# Altium PCB TKN.PcbDoc (part 2 of 2)
Units mil, origin at the board's own origin, x right, y up, seen from the top; angles counter-clockwise.
Board outline 4865.03 x 3045.03 mil, 2 copper layers (Top Layer, Bottom Layer); 16 components, 15 nets, 94 pads, 0 vias.
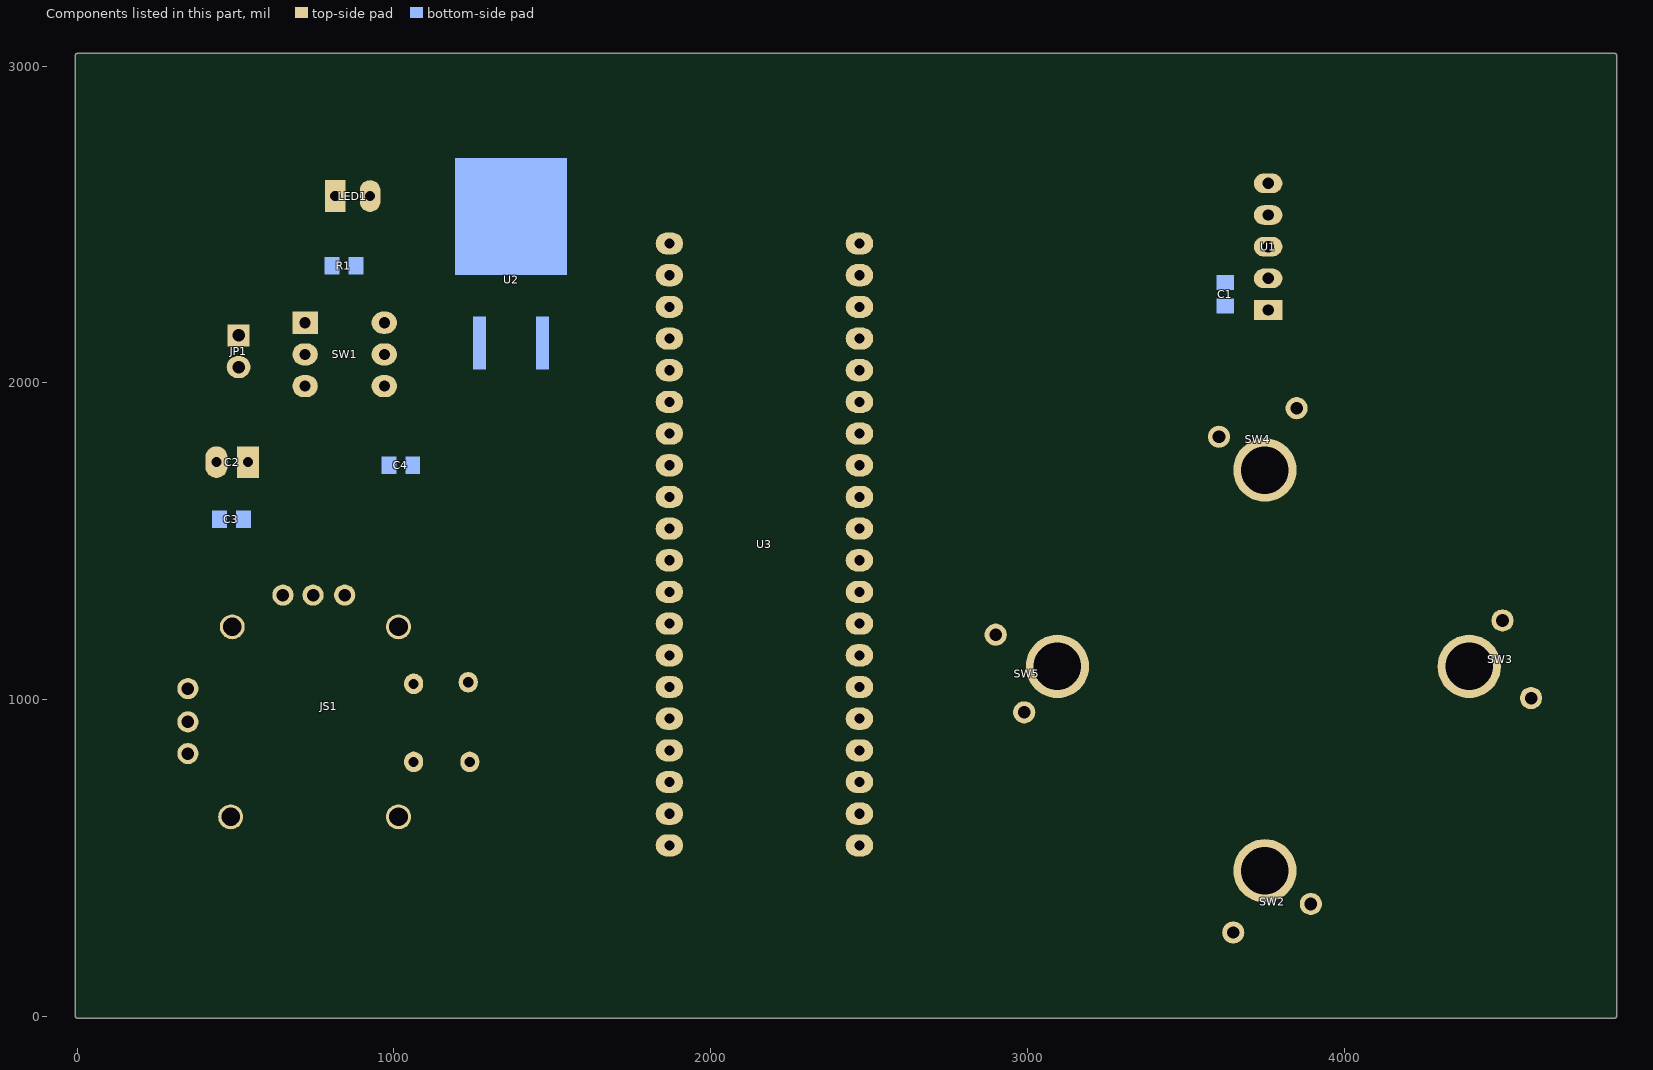
[diagram p2: the components of this part, seen from the top]

## Nets (pads, with @x,y where several pads share a name; then routed paths per layer and width w, separated by ;. In a path a pad name is that pad's centre, name@x,y a point inside that pad or via, vN(x,y) a via of type N, cw(c..) or ccw(c..) an arc to the next point about the centre after c; other vN are vias at no path point) (continued)
copper on no net: | length 113285
  Bottom Layer w1: 4254,2014 4254,2551 ; 4255,2014 4255,2557 ; 4256,2014 4256,2560 ; 4257,2014 4257,2563 ; 4258,2014 4258,2566 ; 4259,2014 4259,2568 ; 4260,2014 4260,2570 ; 4261,2014 4261,2572 ; 4262,2014 4262,2574 ; 4263,2014 4263,2576 ; 4264,2014 4264,2577 ; 4265,2014 4265,2579 ; 4266,2014 4266,2580 ; 4267,2014 4267,2581 ; 4268,2014 4268,2582 ; 4269,2014 4269,2584 ; 4270,2014 4270,2585 ; 4271,2014 4271,2586 ; 4272,2014 4272,2587 ; 4273,2014 4273,2588 ; 4274,2014 4274,2589 ; 4275,2014 4275,2589 ; 4276,2014 4276,2590 ; 4277,2014 4277,2591 ; 4278,2014 4278,2592 ; 4279,2014 4279,2593 ; 4280,2014 4280,2593 ; 4281,2014 4281,2594 ; 4282,2014 4282,2595 ; 4283,2014 4283,2596 ; 4284,2014 4284,2596 ; 4285,2014 4285,2597 ; 4286,2014 4286,2597 ; 4287,2014 4287,2598 ; 4288,2014 4288,2599 ; 4289,2014 4289,2599 ; 4290,2014 4290,2599 ; 4291,2014 4291,2600 ; 4292,2014 4292,2600 ; 4293,2014 4293,2601 ; 4294,2014 4294,2601 ; 4295,2014 4295,2602 ; 4296,2014 4296,2602 ; 4297,2014 4297,2602 ; 4298,2014 4298,2603 ; 4299,2014 4299,2603 ; 4300,2014 4300,2603 ; 4301,2014 4301,2603 ; 4302,2014 4302,2604 ; 4303,2014 4303,2390 ; 4303,2421 4303,2459 ; 4303,2480 4303,2604 ; 4304,2014 4304,2345 ; 4304,2376 4304,2391 ; 4304,2422 4304,2459 ; 4304,2486 4304,2604 ; 4305,2014 4305,2346 ; 4305,2376 4305,2391 ; 4305,2422 4305,2459 ; 4305,2489 4305,2604 ; 4306,2014 4306,2346 ; 4306,2377 4306,2391 ; 4306,2422 4306,2459 ; 4306,2492 4306,2604 ; 4307,2014 4307,2346 ; 4307,2377 4307,2391 ; 4307,2422 4307,2459 ; 4307,2494 4307,2604 ; 4308,2014 4308,2346 ; 4308,2377 4308,2392 ; 4308,2423 4308,2459 ; 4308,2496 4308,2604 ; 4309,2014 4309,2347 ; 4309,2377 4309,2392 ; 4309,2423 4309,2459 ; 4309,2498 4309,2604 ; 4310,2014 4310,2347 ; 4310,2378 4310,2392 ; 4310,2423 4310,2458 ; 4310,2499 4310,2604 ; 4311,2014 4311,2347 ; 4311,2378 4311,2392 ; 4311,2423 4311,2458 ; 4311,2501 4311,2604 ; 4312,2014 4312,2347 ; 4312,2378 4312,2393 ; 4312,2424 4312,2458 ; 4312,2502 4312,2604 ; 4313,2014 4313,2348 ; 4313,2378 4313,2393 ; 4313,2424 4313,2458 ; 4313,2503 4313,2604 ; 4314,2014 4314,2348 ; 4314,2379 4314,2393 ; 4314,2424 4314,2458 ; 4314,2504 4314,2604 ; 4315,2014 4315,2348 ; 4315,2379 4315,2393 ; 4315,2424 4315,2458 ; 4315,2505 4315,2604 ; 4316,2014 4316,2348 ; 4316,2379 4316,2394 ; 4316,2425 4316,2458 ; 4316,2506 4316,2604 ; 4317,2014 4317,2349 ; 4317,2379 4317,2394 ; 4317,2425 4317,2458 ; 4317,2507 4317,2604 ; 4318,2014 4318,2349 ; 4318,2380 4318,2394 ; 4318,2425 4318,2458 ; 4318,2508 4318,2604 ; 4319,2014 4319,2349 ; 4319,2380 4319,2394 ; 4319,2425 4319,2458 ; 4319,2509 4319,2604 ; 4320,2014 4320,2350 ; 4320,2380 4320,2395 ; 4320,2426 4320,2458 ; 4320,2510 4320,2604 ; 4321,2014 4321,2350 ; 4321,2380 4321,2395 ; 4321,2426 4321,2458 ; 4321,2510 4321,2604 ; 4322,2014 4322,2350 ; 4322,2381 4322,2395 ; 4322,2426 4322,2458 ; 4322,2511 4322,2604 ; 4323,2014 4323,2350 ; 4323,2381 4323,2395 ; 4323,2426 4323,2458 ; 4323,2512 4323,2604 ; 4324,2014 4324,2351 ; 4324,2381 4324,2396 ; 4324,2426 4324,2458 ; 4324,2512 4324,2604 ; 4325,2014 4325,2351 ; 4325,2381 4325,2396 ; 4325,2427 4325,2458 ; 4325,2513 4325,2604 ; 4326,2014 4326,2351 ; 4326,2382 4326,2396 ; 4326,2427 4326,2458 ; 4326,2513 4326,2604 ; 4327,2014 4327,2081 ; 4327,2091 4327,2128 ; 4327,2139 4327,2351 ; 4327,2382 4327,2396 ; 4327,2427 4327,2458 ; 4327,2514 4327,2604 ; 4328,2014 4328,2076 ; 4328,2097 4328,2124 ; 4328,2145 4328,2352 ; 4328,2382 4328,2397 ; 4328,2427 4328,2458 ; 4328,2514 4328,2604 ; 4329,2014 4329,2074 ; 4329,2100 4329,2121 ; 4329,2148 4329,2339 ; 4329,2382 4329,2397 ; 4329,2428 4329,2458 ; 4329,2515 4329,2604 ; 4330,2014 4330,2072 ; 4330,2102 4330,2120 ; 4330,2150 4330,2159 ; 4330,2190 4330,2205 ; 4330,2236 4330,2253 ; 4330,2284 4330,2297 ; 4330,2328 4330,2339 ; 4330,2383 4330,2397 ; 4330,2428 4330,2458 ; 4330,2486 4330,2487 ; 4330,2515 4330,2604 ; 4331,2014 4331,2070 ; 4331,2104 4331,2118 ; 4331,2152 4331,2159 ; 4331,2190 4331,2205 ; 4331,2236 4331,2253 ; 4331,2284 4331,2298 ; 4331,2328 4331,2340 ; 4331,2383 4331,2397 ; 4331,2428 4331,2458 ; 4331,2486 4331,2487 ; 4331,2516 4331,2604 ; 4332,2014 4332,2069 ; 4332,2106 4332,2117 ; 4332,2153 4332,2159 ; 4332,2190 4332,2205 ; 4332,2236 4332,2253 ; 4332,2284 4332,2298 ; 4332,2329 4332,2340 ; 4332,2383 4332,2398 ; 4332,2428 4332,2458 ; 4332,2486 4332,2488 ; 4332,2516 4332,2604 ; 4333,2014 4333,2068 ; 4333,2108 4333,2117 ; 4333,2155 4333,2160 ; 4333,2191 4333,2206 ; 4333,2236 4333,2254 ; 4333,2284 4333,2298 ; 4333,2329 4333,2340 ; 4333,2383 4333,2398 ; 4333,2429 4333,2458 ; 4333,2486 4333,2488 ; 4333,2517 4333,2604 ; 4334,2014 4334,2068 ; 4334,2109 4334,2116 ; 4334,2156 4334,2160 ; 4334,2191 4334,2206 ; 4334,2237 4334,2254 ; 4334,2285 4334,2298 ; 4334,2329 4334,2340 ; 4334,2384 4334,2398 ; 4334,2429 4334,2458 ; 4334,2486 4334,2489 ; 4334,2517 4334,2604 ; 4335,2014 4335,2067 ; 4335,2110 4335,2115 ; 4335,2157 4335,2160 ; 4335,2191 4335,2206 ; 4335,2237 4335,2254 ; 4335,2285 4335,2299 ; 4335,2329 4335,2341 ; 4335,2384 4335,2399 ; 4335,2429 4335,2458 ; 4335,2486 4335,2489 ; 4335,2518 4335,2604 ; 4336,2014 4336,2067 ; 4336,2111 4336,2115 ; 4336,2158 4336,2160 ; 4336,2191 4336,2206 ; 4336,2237 4336,2254 ; 4336,2285 4336,2299 ; 4336,2330 4336,2341 ; 4336,2384 4336,2399 ; 4336,2429 4336,2457 ; 4336,2486 4336,2490 ; 4336,2519 4336,2604 ; 4337,2014 4337,2067 ; 4337,2112 4337,2115 ; 4337,2159 4337,2161 ; 4337,2192 4337,2207 ; 4337,2237 4337,2255 ; 4337,2285 4337,2299 ; 4337,2330 4337,2341 ; 4337,2384 4337,2399 ; 4337,2430 4337,2457 ; 4337,2486 4337,2490 ; 4337,2519 4337,2604 ; 4338,2014 4338,2067 ; 4338,2113 4338,2114 ; 4338,2160 4338,2161 ; 4338,2192 4338,2207 ; 4338,2238 4338,2255 ; 4338,2286 4338,2299 ; 4338,2330 4338,2341 ; 4338,2385 4338,2399 ; 4338,2430 4338,2457 ; 4338,2486 4338,2491 ; 4338,2520 4338,2604 ; 4339,2014 4339,2066 ; 4339,2192 4339,2207 ; 4339,2238 4339,2255 ; 4339,2286 4339,2300 ; 4339,2330 4339,2342 ; 4339,2385 4339,2400 ; 4339,2430 4339,2457 ; 4339,2486 4339,2491 ; 4339,2520 4339,2604 ; 4340,2014 4340,2066 ; 4340,2192 4340,2207 ; 4340,2238 4340,2255 ; 4340,2286 4340,2300 ; 4340,2331 4340,2342 ; 4340,2385 4340,2400 ; 4340,2430 4340,2457 ; 4340,2486 4340,2492 ; 4340,2521 4340,2604 ; 4341,2014 4341,2066 ; 4341,2193 4341,2208 ; 4341,2238 4341,2256 ; 4341,2286 4341,2300 ; 4341,2331 4341,2342 ; 4341,2385 4341,2400 ; 4341,2431 4341,2457 ; 4341,2486 4341,2492 ; 4341,2521 4341,2604 ; 4342,2014 4342,2066 ; 4342,2193 4342,2208 ; 4342,2239 4342,2256 ; 4342,2287 4342,2300 ; 4342,2331 4342,2342 ; 4342,2386 4342,2400 ; 4342,2431 4342,2457 ; 4342,2486 4342,2492 ; 4342,2522 4342,2604 ; 4343,2014 4343,2066 ; 4343,2193 4343,2208 ; 4343,2239 4343,2256 ; 4343,2287 4343,2301 ; 4343,2331 4343,2343 ; 4343,2386 4343,2401 ; 4343,2431 4343,2457 ; 4343,2486 4343,2493 ; 4343,2522 4343,2604 ; 4344,2014 4344,2066 ; 4344,2193 4344,2208 ; 4344,2239 4344,2256 ; 4344,2287 4344,2301 ; 4344,2332 4344,2343 ; 4344,2386 4344,2401 ; 4344,2431 4344,2457 ; 4344,2486 4344,2493 ; 4344,2523 4344,2604 ; 4345,2014 4345,2067 ; 4345,2194 4345,2209 ; 4345,2239 4345,2257 ; 4345,2287 4345,2301 ; 4345,2332 4345,2343 ; 4345,2386 4345,2401 ; 4345,2432 4345,2457 ; 4345,2486 4345,2494 ; 4345,2523 4345,2604 ; 4346,2014 4346,2067 ; 4346,2194 4346,2209 ; 4346,2240 4346,2257 ; 4346,2288 4346,2301 ; 4346,2332 4346,2343 ; 4346,2387 4346,2401 ; 4346,2432 4346,2457 ; 4346,2486 4346,2494 ; 4346,2524 4346,2604 ; 4347,2014 4347,2067 ; 4347,2194 4347,2209 ; 4347,2240 4347,2257 ; 4347,2288 4347,2302 ; 4347,2332 4347,2344 ; 4347,2387 4347,2402 ; 4347,2432 4347,2457 ; 4347,2487 4347,2495 ; 4347,2524 4347,2604 ; 4348,2014 4348,2067 ; 4348,2102 4348,2111 ; 4348,2150 4348,2159 ; 4348,2194 4348,2209 ; 4348,2240 4348,2257 ; 4348,2288 4348,2302 ; 4348,2333 4348,2357 ; 4348,2387 4348,2402 ; 4348,2432 4348,2457 ; 4348,2487 4348,2495 ; 4348,2525 4348,2604 ; 4349,2014 4349,2067 ; 4349,2101 4349,2113 ; 4349,2149 4349,2161 ; 4349,2195 4349,2210 ; 4349,2240 4349,2258 ; 4349,2288 4349,2302 ; 4349,2333 4349,2357 ; 4349,2387 4349,2402 ; 4349,2433 4349,2457 ; 4349,2487 4349,2496 ; 4349,2526 4349,2604 ; 4350,2014 4350,2068 ; 4350,2100 4350,2114 ; 4350,2148 4350,2162 ; 4350,2195 4350,2210 ; 4350,2241 4350,2258 ; 4350,2289 4350,2302 ; 4350,2333 4350,2357 ; 4350,2388 4350,2402 ; 4350,2433 4350,2457 ; 4350,2487 4350,2496 ; 4350,2526 4350,2604 ; 4351,2014 4351,2068 ; 4351,2100 4351,2115 ; 4351,2148 4351,2163 ; 4351,2195 4351,2210 ; 4351,2241 4351,2258 ; 4351,2289 4351,2303 ; 4351,2333 4351,2357 ; 4351,2388 4351,2403 ; 4351,2433 4351,2457 ; 4351,2487 4351,2497 ; 4351,2527 4351,2604 ; 4352,2014 4352,2068 ; 4352,2100 4352,2116 ; 4352,2148 4352,2164 ; 4352,2195 4352,2210 ; 4352,2241 4352,2258 ; 4352,2289 4352,2303 ; 4352,2334 4352,2358 ; 4352,2388 4352,2403 ; 4352,2433 4352,2457 ; 4352,2487 4352,2497 ; 4352,2527 4352,2604 ; 4353,2014 4353,2068 ; 4353,2099 4353,2116 ; 4353,2148 4353,2164 ; 4353,2196 4353,2211 ; 4353,2241 4353,2259 ; 4353,2289 4353,2303 ; 4353,2334 4353,2358 ; 4353,2388 4353,2403 ; 4353,2434 4353,2457 ; 4353,2487 4353,2497 ; 4353,2528 4353,2604 ; 4354,2014 4354,2069 ; 4354,2100 4354,2117 ; 4354,2148 4354,2165 ; 4354,2196 4354,2211 ; 4354,2242 4354,2259 ; 4354,2290 4354,2303 ; 4354,2334 4354,2358 ; 4354,2389 4354,2403 ; 4354,2434 4354,2457 ; 4354,2487 4354,2498 ; 4354,2528 4354,2604 ; 4355,2014 4355,2069 ; 4355,2100 4355,2117 ; 4355,2148 4355,2165 ; 4355,2196 4355,2211 ; 4355,2242 4355,2259 ; 4355,2290 4355,2304 ; 4355,2334 4355,2358 ; 4355,2389 4355,2404 ; 4355,2434 4355,2457 ; 4355,2487 4355,2498 ; 4355,2529 4355,2604 ; 4356,2014 4356,2069 ; 4356,2100 4356,2117 ; 4356,2148 4356,2166 ; 4356,2196 4356,2211 ; 4356,2242 4356,2259 ; 4356,2290 4356,2304 ; 4356,2335 4356,2359 ; 4356,2389 4356,2404 ; 4356,2434 4356,2457 ; 4356,2487 4356,2499 ; 4356,2529 4356,2604 ; 4357,2014 4357,2069 ; 4357,2100 4357,2118 ; 4357,2148 4357,2166 ; 4357,2197 4357,2212 ; 4357,2242 4357,2260 ; 4357,2290 4357,2304 ; 4357,2335 4357,2359 ; 4357,2389 4357,2404 ; 4357,2435 4357,2457 ; 4357,2487 4357,2499 ; 4357,2530 4357,2604 ; 4358,2014 4358,2070 ; 4358,2100 4358,2118 ; 4358,2149 4358,2166 ; 4358,2197 4358,2212 ; 4358,2243 4358,2260 ; 4358,2291 4358,2304 ; 4358,2335 4358,2359 ; 4358,2390 4358,2404 ; 4358,2435 4358,2457 ; 4358,2487 4358,2500 ; 4358,2530 4358,2604 ; 4359,2014 4359,2070 ; 4359,2101 4359,2118 ; 4359,2149 4359,2166 ; 4359,2197 4359,2212 ; 4359,2243 4359,2260 ; 4359,2291 4359,2305 ; 4359,2335 4359,2359 ; 4359,2390 4359,2405 ; 4359,2435 4359,2457 ; 4359,2487 4359,2500 ; 4359,2531 4359,2604 ; 4360,2014 4360,2070 ; 4360,2101 4360,2119 ; 4360,2149 4360,2167 ; 4360,2197 4360,2212 ; 4360,2243 4360,2260 ; 4360,2291 4360,2305 ; 4360,2336 4360,2360 ; 4360,2390 4360,2405 ; 4360,2435 4360,2457 ; 4360,2487 4360,2501 ; 4360,2531 4360,2604 ; 4361,2014 4361,2070 ; 4361,2101 4361,2119 ; 4361,2149 4361,2167 ; 4361,2198 4361,2213 ; 4361,2243 4361,2261 ; 4361,2291 4361,2305 ; 4361,2336 4361,2360 ; 4361,2391 4361,2405 ; 4361,2436 4361,2457 ; 4361,2487 4361,2501 ; 4361,2532 4361,2604 ; 4362,2014 4362,2071 ; 4362,2101 4362,2119 ; 4362,2150 4362,2167 ; 4362,2198 4362,2213 ; 4362,2244 4362,2261 ; 4362,2292 4362,2305 ; 4362,2336 4362,2360 ; 4362,2391 4362,2405 ; 4362,2436 4362,2457 ; 4362,2487 4362,2502 ; 4362,2532 4362,2604 ; 4363,2014 4363,2071 ; 4363,2102 4363,2119 ; 4363,2150 4363,2167 ; 4363,2198 4363,2213 ; 4363,2244 4363,2261 ; 4363,2292 4363,2306 ; 4363,2336 4363,2360 ; 4363,2391 4363,2406 ; 4363,2436 4363,2456 ; 4363,2487 4363,2502 ; 4363,2533 4363,2604 ; 4364,2014 4364,2071 ; 4364,2102 4364,2120 ; 4364,2150 4364,2168 ; 4364,2198 4364,2213 ; 4364,2244 4364,2261 ; 4364,2292 4364,2306 ; 4364,2337 4364,2361 ; 4364,2391 4364,2406 ; 4364,2436 4364,2456 ; 4364,2487 4364,2503 ; 4364,2534 4364,2604 ; 4365,2014 4365,2071 ; 4365,2102 4365,2120 ; 4365,2150 4365,2168 ; 4365,2199 4365,2214 ; 4365,2244 4365,2262 ; 4365,2292 4365,2306 ; 4365,2337 4365,2361 ; 4365,2392 4365,2406 ; 4365,2437 4365,2456 ; 4365,2488 4365,2503 ; 4365,2534 4365,2604 ; 4366,2014 4366,2072 ; 4366,2102 4366,2120 ; 4366,2151 4366,2168 ; 4366,2199 4366,2214 ; 4366,2245 4366,2262 ; 4366,2293 4366,2306 ; 4366,2337 4366,2361 ; 4366,2392 4366,2406 ; 4366,2437 4366,2456 ; 4366,2488 4366,2503 ; 4366,2535 4366,2604 ; 4367,2014 4367,2072 ; 4367,2103 4367,2120 ; 4367,2151 4367,2168 ; 4367,2199 4367,2214 ; 4367,2245 4367,2262 ; 4367,2293 4367,2307 ; 4367,2337 4367,2361 ; 4367,2392 4367,2407 ; 4367,2437 4367,2456 ; 4367,2488 4367,2504 ; 4367,2535 4367,2604 ; 4368,2014 4368,2072 ; 4368,2103 4368,2121 ; 4368,2151 4368,2169 ; 4368,2199 4368,2214 ; 4368,2245 4368,2262 ; 4368,2293 4368,2307 ; 4368,2338 4368,2362 ; 4368,2392 4368,2407 ; 4368,2437 4368,2456 ; 4368,2488 4368,2504 ; 4368,2536 4368,2604 ; 4369,2014 4369,2072 ; 4369,2103 4369,2121 ; 4369,2151 4369,2169 ; 4369,2200 4369,2215 ; 4369,2245 4369,2263 ; 4369,2293 4369,2307 ; 4369,2338 4369,2362 ; 4369,2393 4369,2407 ; 4369,2438 4369,2456 ; 4369,2488 4369,2505 ; 4369,2536 4369,2604 ; 4370,2014 4370,2073 ; 4370,2103 4370,2121 ; 4370,2152 4370,2169 ; 4370,2200 4370,2215 ; 4370,2246 4370,2263 ; 4370,2294 4370,2307 ; 4370,2338 4370,2362 ; 4370,2393 4370,2407 ; 4370,2438 4370,2456 ; 4370,2488 4370,2505 ; 4370,2537 4370,2604 ; 4371,2014 4371,2073 ; 4371,2104 4371,2121 ; 4371,2152 4371,2169 ; 4371,2200 4371,2215 ; 4371,2246 4371,2263 ; 4371,2294 4371,2308 ; 4371,2338 4371,2362 ; 4371,2393 4371,2408 ; 4371,2438 4371,2456 ; 4371,2488 4371,2506 ; 4371,2537 4371,2604 ; 4372,2014 4372,2073 ; 4372,2104 4372,2122 ; 4372,2152 4372,2170 ; 4372,2200 4372,2215 ; 4372,2246 4372,2263 ; 4372,2294 4372,2308 ; 4372,2339 4372,2363 ; 4372,2393 4372,2408 ; 4372,2438 4372,2456 ; 4372,2538 4372,2604 ; 4373,2014 4373,2073 ; 4373,2104 4373,2122 ; 4373,2152 4373,2170 ; 4373,2201 4373,2216 ; 4373,2246 4373,2264 ; 4373,2294 4373,2308 ; 4373,2339 4373,2363 ; 4373,2394 4373,2408 ; 4373,2439 4373,2456 ; 4373,2538 4373,2604 ; 4374,2014 4374,2074 ; 4374,2104 4374,2122 ; 4374,2153 4374,2170 ; 4374,2201 4374,2216 ; 4374,2247 4374,2264 ; 4374,2295 4374,2308 ; 4374,2339 4374,2363 ; 4374,2394 4374,2408 ; 4374,2439 4374,2456 ; 4374,2539 4374,2604 ; 4375,2014 4375,2074 ; 4375,2105 4375,2122 ; 4375,2153 4375,2170 ; 4375,2201 4375,2216 ; 4375,2247 4375,2264 ; 4375,2295 4375,2309 ; 4375,2339 4375,2363 ; 4375,2394 4375,2409 ; 4375,2439 4375,2456 ; 4375,2539 4375,2604 ; 4376,2014 4376,2074 ; 4376,2105 4376,2123 ; 4376,2153 4376,2171 ; 4376,2201 4376,2216 ; 4376,2247 4376,2264 ; 4376,2295 4376,2309 ; 4376,2340 4376,2364 ; 4376,2394 4376,2409 ; 4376,2439 4376,2456 ; 4376,2540 4376,2604 ; 4377,2014 4377,2074 ; 4377,2105 4377,2123 ; 4377,2153 4377,2171 ; 4377,2202 4377,2217 ; 4377,2247 4377,2265 ; 4377,2295 4377,2309 ; 4377,2340 4377,2364 ; 4377,2395 4377,2409 ; 4377,2440 4377,2456 ; 4377,2541 4377,2604 ; 4378,2014 4378,2075 ; 4378,2105 4378,2123 ; 4378,2154 4378,2171 ; 4378,2202 4378,2217 ; 4378,2248 4378,2265 ; 4378,2296 4378,2309 ; 4378,2340 4378,2364 ; 4378,2395 4378,2409 ; 4378,2440 4378,2456 ; 4378,2541 4378,2604 ; 4379,2014 4379,2075 ; 4379,2106 4379,2123 ; 4379,2154 4379,2171 ; 4379,2202 4379,2217 ; 4379,2248 4379,2265 ; 4379,2296 4379,2310 ; 4379,2340 4379,2364 ; 4379,2395 4379,2410 ; 4379,2440 4379,2456 ; 4379,2542 4379,2604 ; 4380,2014 4380,2075 ; 4380,2106 4380,2124 ; 4380,2154 4380,2172 ; 4380,2202 4380,2217 ; 4380,2248 4380,2265 ; 4380,2296 4380,2310 ; 4380,2341 4380,2365 ; 4380,2395 4380,2410 ; 4380,2440 4380,2456 ; 4380,2542 4380,2604 ; 4381,2014 4381,2075 ; 4381,2106 4381,2124 ; 4381,2154 4381,2172 ; 4381,2203 4381,2218 ; 4381,2248 4381,2266 ; 4381,2296 4381,2310 ; 4381,2341 4381,2365 ; 4381,2396 4381,2410 ; 4381,2441 4381,2456 ; 4381,2543 4381,2604 ; 4382,2014 4382,2076 ; 4382,2106 4382,2124 ; 4382,2155 4382,2172 ; 4382,2203 4382,2218 ; 4382,2249 4382,2266 ; 4382,2297 4382,2310 ; 4382,2341 4382,2365 ; 4382,2396 4382,2410 ; 4382,2441 4382,2456 ; 4382,2543 4382,2604 ; 4383,2014 4383,2076 ; 4383,2107 4383,2124 ; 4383,2155 4383,2172 ; 4383,2203 4383,2218 ; 4383,2249 4383,2266 ; 4383,2297 4383,2311 ; 4383,2341 4383,2365 ; 4383,2396 4383,2411 ; 4383,2441 4383,2456 ; 4383,2544 4383,2604 ; 4384,2014 4384,2076 ; 4384,2107 4384,2125 ; 4384,2155 4384,2173 ; 4384,2203 4384,2218 ; 4384,2249 4384,2266 ; 4384,2297 4384,2311 ; 4384,2342 4384,2366 ; 4384,2396 4384,2411 ; 4384,2441 4384,2456 ; 4384,2544 4384,2604 ; 4385,2014 4385,2076 ; 4385,2107 4385,2125 ; 4385,2155 4385,2173 ; 4385,2204 4385,2219 ; 4385,2249 4385,2267 ; 4385,2297 4385,2311 ; 4385,2342 4385,2366 ; 4385,2397 4385,2411 ; 4385,2442 4385,2456 ; 4385,2545 4385,2604 ; 4386,2014 4386,2077 ; 4386,2107 4386,2125 ; 4386,2156 4386,2173 ; 4386,2204 4386,2219 ; 4386,2250 4386,2267 ; 4386,2298 4386,2311 ; 4386,2342 4386,2366 ; 4386,2397 4386,2411 ; 4386,2442 4386,2456 ; 4386,2545 4386,2604 ; 4387,2014 4387,2077 ; 4387,2108 4387,2125 ; 4387,2156 4387,2173 ; 4387,2204 4387,2219 ; 4387,2250 4387,2267 ; 4387,2298 4387,2312 ; 4387,2342 4387,2366 ; 4387,2397 4387,2412 ; 4387,2442 4387,2456 ; 4387,2546 4387,2604 ; 4388,2014 4388,2077 ; 4388,2108 4388,2126 ; 4388,2156 4388,2174 ; 4388,2204 4388,2219 ; 4388,2251 4388,2267 ; 4388,2298 4388,2312 ; 4388,2343 4388,2366 ; 4388,2397 4388,2412 ; 4388,2442 4388,2456 ; 4388,2546 4388,2604 ; 4389,2014 4389,2077 ; 4389,2108 4389,2126 ; 4389,2156 4389,2174 ; 4389,2205 4389,2220 ; 4389,2251 4389,2267 ; 4389,2298 4389,2312 ; 4389,2343 4389,2367 ; 4389,2398 4389,2412 ; 4389,2443 4389,2455 ; 4389,2547 4389,2604 ; 4390,2014 4390,2078 ; 4390,2108 4390,2126 ; 4390,2157 4390,2174 ; 4390,2205 4390,2220 ; 4390,2252 4390,2266 ; 4390,2299 4390,2312 ; 4390,2343 4390,2366 ; 4390,2398 4390,2412 ; 4390,2443 4390,2455 ; 4390,2547 4390,2604 ; 4391,2014 4391,2078 ; 4391,2109 4391,2126 ; 4391,2157 4391,2174 ; 4391,2205 4391,2220 ; 4391,2253 4391,2266 ; 4391,2299 4391,2313 ; 4391,2343 4391,2366 ; 4391,2398 4391,2413 ; 4391,2443 4391,2455 ; 4391,2548 4391,2604 ; 4392,2014 4392,2078 ; 4392,2109 4392,2127 ; 4392,2157 4392,2175 ; 4392,2205 4392,2220 ; 4392,2255 4392,2265 ; 4392,2299 4392,2313 ; 4392,2344 4392,2365 ; 4392,2398 4392,2413 ; 4392,2443 4392,2455 ; 4392,2549 4392,2604 ; 4393,2014 4393,2078 ; 4393,2109 4393,2127 ; 4393,2157 4393,2175 ; 4393,2206 4393,2221 ; 4393,2299 4393,2313 ; 4393,2344 4393,2355 ; 4393,2399 4393,2413 ; 4393,2444 4393,2455 ; 4393,2489 4393,2515 ; 4393,2549 4393,2604 ; 4394,2014 4394,2079 ; 4394,2109 4394,2127 ; 4394,2158 4394,2175 ; 4394,2206 4394,2221 ; 4394,2300 4394,2313 ; 4394,2344 4394,2355 ; 4394,2399 4394,2413 ; 4394,2444 4394,2455 ; 4394,2489 4394,2516 ; 4394,2550 4394,2604 ; 4395,2014 4395,2079 ; 4395,2110 4395,2127 ; 4395,2158 4395,2175 ; 4395,2206 4395,2221 ; 4395,2300 4395,2314 ; 4395,2344 4395,2356 ; 4395,2399 4395,2414 ; 4395,2444 4395,2455 ; 4395,2489 4395,2516 ; 4395,2550 4395,2604 ; 4396,2014 4396,2079 ; 4396,2110 4396,2128 ; 4396,2158 4396,2176 ; 4396,2206 4396,2221 ; 4396,2300 4396,2314 ; 4396,2345 4396,2356 ; 4396,2399 4396,2414 ; 4396,2444 4396,2455 ; 4396,2489 4396,2517 ; 4396,2551 4396,2604 ; 4397,2014 4397,2079 ; 4397,2110 4397,2128 ; 4397,2158 4397,2176 ; 4397,2207 4397,2222 ; 4397,2300 4397,2314 ; 4397,2345 4397,2356 ; 4397,2399 4397,2414 ; 4397,2445 4397,2455 ; 4397,2489 4397,2517 ; 4397,2551 4397,2604 ; 4398,2014 4398,2080 ; 4398,2110 4398,2128 ; 4398,2159 4398,2176 ; 4398,2207 4398,2222 ; 4398,2300 4398,2314 ; 4398,2345 4398,2356 ; 4398,2399 4398,2414 ; 4398,2445 4398,2455 ; 4398,2489 4398,2518 ; 4398,2552 4398,2604 ; 4399,2014 4399,2080 ; 4399,2111 4399,2128 ; 4399,2159 4399,2176 ; 4399,2207 4399,2222 ; 4399,2300 4399,2315 ; 4399,2345 4399,2357 ; 4399,2399 4399,2415 ; 4399,2445 4399,2455 ; 4399,2489 4399,2518 ; 4399,2552 4399,2604 ; 4400,2014 4400,2081 ; 4400,2111 4400,2129 ; 4400,2159 4400,2177 ; 4400,2207 4400,2222 ; 4400,2300 4400,2315 ; 4400,2346 4400,2357 ; 4400,2399 4400,2415 ; 4400,2445 4400,2455 ; 4400,2489 4400,2519 ; 4400,2553 4400,2604 ; 4401,2014 4401,2081 ; 4401,2111 4401,2129 ; 4401,2159 4401,2177 ; 4401,2208 4401,2223 ; 4401,2300 4401,2315 ; 4401,2346 4401,2357 ; 4401,2399 4401,2415 ; 4401,2446 4401,2455 ; 4401,2489 4401,2519 ; 4401,2553 4401,2604 ; 4402,2014 4402,2082 ; 4402,2111 4402,2129 ; 4402,2160 4402,2177 ; 4402,2208 4402,2223 ; 4402,2300 4402,2315 ; 4402,2346 4402,2357 ; 4402,2399 4402,2415 ; 4402,2446 4402,2455 ; 4402,2490 4402,2519 ; 4402,2554 4402,2604 ; 4403,2014 4403,2055 ; 4403,2057 4403,2062 ; 4403,2065 4403,2066 ; 4403,2073 4403,2083 ; 4403,2112 4403,2129 ; 4403,2160 4403,2177 ; 4403,2208 4403,2223 ; 4403,2254 4403,2255 ; 4403,2299 4403,2316 ; 4403,2346 4403,2358 ; 4403,2399 4403,2416 ; 4403,2446 4403,2455 ; 4403,2490 4403,2520 ; 4403,2554 4403,2604 ; 4404,2014 4404,2055 ; 4404,2058 4404,2062 ; 4404,2065 4404,2069 ; 4404,2071 4404,2083 ; 4404,2112 4404,2130 ; 4404,2160 4404,2178 ; 4404,2208 4404,2223 ; 4404,2254 4404,2256 ; 4404,2299 4404,2316 ; 4404,2347 4404,2358 ; 4404,2399 4404,2416 ; 4404,2446 4404,2455 ; 4404,2490 4404,2520 ; 4404,2555 4404,2604 ; 4405,2014 4405,2055 ; 4405,2058 4405,2061 ; 4405,2065 4405,2069 ; 4405,2071 4405,2084 ; 4405,2112 4405,2130 ; 4405,2160 4405,2178 ; 4405,2209 4405,2224 ; 4405,2254 4405,2257 ; 4405,2299 4405,2316 ; 4405,2347 4405,2358 ; 4405,2399 4405,2416 ; 4405,2447 4405,2455 ; 4405,2490 4405,2521 ; 4405,2556 4405,2604 ; 4406,2014 4406,2055 ; 4406,2056 4406,2057 ; 4406,2058 4406,2061 ; 4406,2065 4406,2069 ; 4406,2071 4406,2085 ; 4406,2112 4406,2130 ; 4406,2161 4406,2178 ; 4406,2209 4406,2224 ; 4406,2254 4406,2258 ; 4406,2298 4406,2316 ; 4406,2347 4406,2358 ; 4406,2398 4406,2416 ; 4406,2447 4406,2455 ; 4406,2490 4406,2521 ; 4406,2556 4406,2604 ; 4407,2014 4407,2055 ; 4407,2056 4407,2057 ; 4407,2059 4407,2061 ; 4407,2062 4407,2063 ; 4407,2065 4407,2069 ; 4407,2071 4407,2087 ; 4407,2113 4407,2130 ; 4407,2161 4407,2178 ; 4407,2209 4407,2224 ; 4407,2255 4407,2259 ; 4407,2298 4407,2317 ; 4407,2347 4407,2359 ; 4407,2398 4407,2417 ; 4407,2447 4407,2455 ; 4407,2490 4407,2522 ; 4407,2557 4407,2604 ; 4408,2014 4408,2055 ; 4408,2056 4408,2058 ; 4408,2059 4408,2060 ; 4408,2062 4408,2063 ; 4408,2065 4408,2069 ; 4408,2071 4408,2088 ; 4408,2113 4408,2131 ; 4408,2161 4408,2179 ; 4408,2209 4408,2224 ; 4408,2255 4408,2261 ; 4408,2297 4408,2317 ; 4408,2348 4408,2359 ; 4408,2397 4408,2417 ; 4408,2447 4408,2455 ; 4408,2490 4408,2522 ; 4408,2557 4408,2604 ; 4409,2014 4409,2055 ; 4409,2056 4409,2058 ; 4409,2061 4409,2063 ; 4409,2065 4409,2069 ; 4409,2071 4409,2090 ; 4409,2113 4409,2131 ; 4409,2161 4409,2179 ; 4409,2210 4409,2225 ; 4409,2255 4409,2262 ; 4409,2296 4409,2317 ; 4409,2348 4409,2359 ; 4409,2395 4409,2417 ; 4409,2448 4409,2455 ; 4409,2490 4409,2522 ; 4409,2558 4409,2604 ; 4410,2014 4410,2055 ; 4410,2056 4410,2058 ; 4410,2061 4410,2063 ; 4410,2065 4410,2069 ; 4410,2071 4410,2092 ; 4410,2113 4410,2131 ; 4410,2162 4410,2179 ; 4410,2210 4410,2225 ; 4410,2255 4410,2264 ; 4410,2294 4410,2317 ; 4410,2348 4410,2359 ; 4410,2393 4410,2417 ; 4410,2448 4410,2455 ; 4410,2490 4410,2523 ; 4410,2558 4410,2604 ; 4411,2014 4411,2055 ; 4411,2056 4411,2059 ; 4411,2061 4411,2063 ; 4411,2065 4411,2069 ; 4411,2071 4411,2096 ; 4411,2114 4411,2131 ; 4411,2162 4411,2179 ; 4411,2210 4411,2225 ; 4411,2256 4411,2266 ; 4411,2292 4411,2318 ; 4411,2348 4411,2360 ; 4411,2390 4411,2418 ; 4411,2448 4411,2455 ; 4411,2490 4411,2523 ; 4411,2559 4411,2604 ; 4412,2014 4412,2269 ; 4412,2290 4412,2369 ; 4412,2381 4412,2604 ; 4413,2014 4413,2274 ; 4413,2285 4413,2604 ; 4414,2014 4414,2604 ; 4415,2014 4415,2604 ; 4416,2014 4416,2604 ; 4417,2014 4417,2604 ; 4418,2014 4418,2604 ; 4419,2014 4419,2604 ; 4420,2014 4420,2604 ; 4421,2014 4421,2604 ; 4422,2014 4422,2604 ; 4423,2014 4423,2604 ; 4424,2014 4424,2604 ; 4425,2014 4425,2604 ; 4426,2014 4426,2604 ; 4427,2014 4427,2604 ; 4428,2014 4428,2604 ; 4429,2014 4429,2604 ; 4430,2014 4430,2604 ; 4431,2014 4431,2604 ; 4432,2014 4432,2604 ; 4433,2014 4433,2604 ; 4434,2014 4434,2604 ; 4435,2014 4435,2055 ; 4435,2057 4435,2062 ; 4435,2065 4435,2066 ; 4435,2073 4435,2420 ; 4435,2424 4435,2511 ; 4435,2515 4435,2604 ; 4436,2014 4436,2055 ; 4436,2058 4436,2062 ; 4436,2065 4436,2069 ; 4436,2070 4436,2111 ; 4436,2115 4436,2216 ; 4436,2220 4436,2317 ; 4436,2321 4436,2420 ; 4436,2424 4436,2494 ; 4436,2498 4436,2511 ; 4436,2515 4436,2604 ; 4437,2014 4437,2055 ; 4437,2058 4437,2061 ; 4437,2065 4437,2069 ; 4437,2070 4437,2111 ; 4437,2115 4437,2152 ; 4437,2164 4437,2216 ; 4437,2220 4437,2263 ; 4437,2273 4437,2317 ; 4437,2321 4437,2420 ; 4437,2424 4437,2429 ; 4437,2441 4437,2494 ; 4437,2498 4437,2511 ; 4437,2515 4437,2538 ; 4437,2545 4437,2554 ; 4437,2560 4437,2604 ; 4438,2014 4438,2055 ; 4438,2056 4438,2057 ; 4438,2059 4438,2061 ; 4438,2065 4438,2069 ; 4438,2070 4438,2111 ; 4438,2115 4438,2152 ; 4438,2164 4438,2216 ; 4438,2220 4438,2260 ; 4438,2273 4438,2317 ; 4438,2321 4438,2378 ; 4438,2380 4438,2420 ; 4438,2424 4438,2429 ; 4438,2441 4438,2494 ; 4438,2498 4438,2511 ; 4438,2515 4438,2538 ; 4438,2545 4438,2553 ; 4438,2560 4438,2604 ; 4439,2014 4439,2055 ; 4439,2056 4439,2057 ; 4439,2059 4439,2060 ; 4439,2062 4439,2063 ; 4439,2065 4439,2069 ; 4439,2070 4439,2152 ; 4439,2164 4439,2259 ; 4439,2273 4439,2378 ; 4439,2382 4439,2420 ; 4439,2424 4439,2429 ; 4439,2441 4439,2511 ; 4439,2515 4439,2538 ; 4439,2545 4439,2553 ; 4439,2560 4439,2604 ; 4440,2014 4440,2055 ; 4440,2056 4440,2058 ; 4440,2062 4440,2063 ; 4440,2065 4440,2069 ; 4440,2070 4440,2159 ; 4440,2164 4440,2258 ; 4440,2265 4440,2269 ; 4440,2273 4440,2378 ; 4440,2382 4440,2420 ; 4440,2424 4440,2437 ; 4440,2441 4440,2511 ; 4440,2515 4440,2538 ; 4440,2546 4440,2553 ; 4440,2560 4440,2604 ; 4441,2014 4441,2055 ; 4441,2056 4441,2058 ; 4441,2061 4441,2063 ; 4441,2065 4441,2069 ; 4441,2070 4441,2159 ; 4441,2164 4441,2258 ; 4441,2263 4441,2269 ; 4441,2273 4441,2378 ; 4441,2382 4441,2420 ; 4441,2424 4441,2437 ; 4441,2441 4441,2511 ; 4441,2515 4441,2538 ; 4441,2546 4441,2552 ; 4441,2560 4441,2604 ; 4442,2014 4442,2055 ; 4442,2056 4442,2059 ; 4442,2061 4442,2063 ; 4442,2065 4442,2069 ; 4442,2070 4442,2080 ; 4442,2083 4442,2085 ; 4442,2088 4442,2096 ; 4442,2103 4442,2111 ; 4442,2115 4442,2120 ; 4442,2128 4442,2137 ; 4442,2145 4442,2159 ; 4442,2164 4442,2181 ; 4442,2187 4442,2188 ; 4442,2192 4442,2197 ; 4442,2201 4442,2203 ; 4442,2209 4442,2216 ; 4442,2220 4442,2225 ; 4442,2233 4442,2242 ; 4442,2249 4442,2257 ; 4442,2262 4442,2269 ; 4442,2273 4442,2288 ; 4442,2296 4442,2301 ; 4442,2309 4442,2317 ; 4442,2321 4442,2328 ; 4442,2334 4442,2336 ; 4442,2340 4442,2348 ; 4442,2355 4442,2362 ; 4442,2365 4442,2367 ; 4442,2370 4442,2375 ; 4442,2385 4442,2387 ; 4442,2394 4442,2405 ; 4442,2412 4442,2420 ; 4442,2424 4442,2437 ; 4442,2441 4442,2456 ; 4442,2460 4442,2461 ; 4442,2467 4442,2477 ; 4442,2483 4442,2485 ; 4442,2488 4442,2494 ; 4442,2498 4442,2502 ; 4442,2507 4442,2511 ; 4442,2515 4442,2522 ; 4442,2531 4442,2538 ; 4442,2546 4442,2552 ; 4442,2560 4442,2604 ; 4443,2014 4443,2080 ; 4443,2084 4443,2085 ; 4443,2088 4443,2095 ; 4443,2104 4443,2111 ; 4443,2115 4443,2120 ; 4443,2129 4443,2136 ; 4443,2146 4443,2159 ; 4443,2164 4443,2180 ; 4443,2192 4443,2197 ; 4443,2210 4443,2216 ; 4443,2220 4443,2225 ; 4443,2234 4443,2241 ; 4443,2251 4443,2257 ; 4443,2262 4443,2269 ; 4443,2273 4443,2288 ; 4443,2297 4443,2302 ; 4443,2310 4443,2317 ; 4443,2321 4443,2327 ; 4443,2340 4443,2346 ; 4443,2357 4443,2362 ; 4443,2366 4443,2367 ; 4443,2370 4443,2375 ; 4443,2385 4443,2387 ; 4443,2396 4443,2404 ; 4443,2413 4443,2420 ; 4443,2424 4443,2437 ; 4443,2441 4443,2456 ; 4443,2468 4443,2476 ; 4443,2488 4443,2494 ; 4443,2498 4443,2503 ; 4443,2508 4443,2511 ; 4443,2515 4443,2521 ; 4443,2532 4443,2538 ; 4443,2542 4443,2543 ; 4443,2547 4443,2552 ; 4443,2560 4443,2604 ; 4444,2014 4444,2080 ; 4444,2088 4444,2094 ; 4444,2105 4444,2111 ; 4444,2115 4444,2120 ; 4444,2130 4444,2135 ; 4444,2146 4444,2159 ; 4444,2164 4444,2179 ; 4444,2192 4444,2197 ; 4444,2211 4444,2216 ; 4444,2220 4444,2226 ; 4444,2235 4444,2240 ; 4444,2251 4444,2257 ; 4444,2261 4444,2269 ; 4444,2273 4444,2288 ; 4444,2298 4444,2302 ; 4444,2311 4444,2317 ; 4444,2321 4444,2327 ; 4444,2340 4444,2346 ; 4444,2358 4444,2362 ; 4444,2370 4444,2375 ; 4444,2385 4444,2387 ; 4444,2397 4444,2403 ; 4444,2414 4444,2420 ; 4444,2424 4444,2437 ; 4444,2441 4444,2456 ; 4444,2469 4444,2475 ; 4444,2488 4444,2494 ; 4444,2498 4444,2504 ; 4444,2508 4444,2511 ; 4444,2515 4444,2521 ; 4444,2532 4444,2538 ; 4444,2542 4444,2543 ; 4444,2547 4444,2551 ; 4444,2555 4444,2556 ; 4444,2560 4444,2604 ; 4445,2014 4445,2080 ; 4445,2088 4445,2094 ; 4445,2097 4445,2102 ; 4445,2106 4445,2111 ; 4445,2115 4445,2126 ; 4445,2130 4445,2135 ; 4445,2139 4445,2144 ; 4445,2146 4445,2152 ; 4445,2164 4445,2179 ; 4445,2183 4445,2187 ; 4445,2192 4445,2197 ; 4445,2203 4445,2206 ; 4445,2211 4445,2216 ; 4445,2220 4445,2231 ; 4445,2235 4445,2240 ; 4445,2243 4445,2248 ; 4445,2252 4445,2256 ; 4445,2261 4445,2269 ; 4445,2273 4445,2294 ; 4445,2298 4445,2307 ; 4445,2312 4445,2317 ; 4445,2321 4445,2326 ; 4445,2331 4445,2334 ; 4445,2340 4445,2345 ; 4445,2350 4445,2354 ; 4445,2359 4445,2362 ; 4445,2370 4445,2378 ; 4445,2382 4445,2392 ; 4445,2397 4445,2402 ; 4445,2406 4445,2411 ; 4445,2415 4445,2420 ; 4445,2424 4445,2430 ; 4445,2441 4445,2456 ; 4445,2461 4445,2465 ; 4445,2470 4445,2475 ; 4445,2479 4445,2483 ; 4445,2488 4445,2494 ; 4445,2498 4445,2505 ; 4445,2509 4445,2511 ; 4445,2515 4445,2520 ; 4445,2524 4445,2530 ; 4445,2532 4445,2538 ; 4445,2542 4445,2543 ; 4445,2547 4445,2551 ; 4445,2555 4445,2556 ; 4445,2560 4445,2604 ; 4446,2014 4446,2083 ; 4446,2088 4446,2093 ; 4446,2097 4446,2103 ; 4446,2106 4446,2111 ; 4446,2115 4446,2126 ; 4446,2130 4446,2134 ; 4446,2138 4446,2152 ; 4446,2164 4446,2179 ; 4446,2183 4446,2187 ; 4446,2192 4446,2197 ; 4446,2202 4446,2207 ; 4446,2212 4446,2216 ; 4446,2220 4446,2231 ; 4446,2235 4446,2239 ; 4446,2243 4446,2249 ; 4446,2252 4446,2256 ; 4446,2261 4446,2269 ; 4446,2273 4446,2294 ; 4446,2298 4446,2307 ; 4446,2312 4446,2317 ; 4446,2321 4446,2326 ; 4446,2330 4446,2335 ; 4446,2340 4446,2344 ; 4446,2349 4446,2355 ; 4446,2359 4446,2366 ; 4446,2370 4446,2378 ; 4446,2382 4446,2393 ; 4446,2398 4446,2402 ; 4446,2406 4446,2411 ; 4446,2415 4446,2420 ; 4446,2424 4446,2430 ; 4446,2441 4446,2456 ; 4446,2460 4446,2466 ; 4446,2470 4446,2475 ; 4446,2479 4446,2484 ; 4446,2488 4446,2494 ; 4446,2498 4446,2505 ; 4446,2510 4446,2511 ; 4446,2515 4446,2520 ; 4446,2524 4446,2538 ; 4446,2542 4446,2544 ; 4446,2547 4446,2551 ; 4446,2554 4446,2556 ; 4446,2560 4446,2604 ; 4447,2014 4447,2084 ; 4447,2088 4447,2093 ; 4447,2097 4447,2103 ; 4447,2107 4447,2111 ; 4447,2115 4447,2125 ; 4447,2130 4447,2134 ; 4447,2138 4447,2152 ; 4447,2164 4447,2179 ; 4447,2183 4447,2188 ; 4447,2192 4447,2197 ; 4447,2202 4447,2208 ; 4447,2212 4447,2216 ; 4447,2220 4447,2230 ; 4447,2235 4447,2239 ; 4447,2243 4447,2249 ; 4447,2253 4447,2256 ; 4447,2261 4447,2269 ; 4447,2273 4447,2293 ; 4447,2298 4447,2308 ; 4447,2312 4447,2317 ; 4447,2321 4447,2326 ; 4447,2330 4447,2335 ; 4447,2340 4447,2344 ; 4447,2348 4447,2355 ; 4447,2359 4447,2366 ; 4447,2370 4447,2378 ; 4447,2382 4447,2394 ; 4447,2398 4447,2402 ; 4447,2405 4447,2412 ; 4447,2415 4447,2420 ; 4447,2424 4447,2430 ; 4447,2441 4447,2456 ; 4447,2460 4447,2466 ; 4447,2470 4447,2475 ; 4447,2479 4447,2484 ; 4447,2488 4447,2494 ; 4447,2498 4447,2506 ; 4447,2515 4447,2520 ; 4447,2524 4447,2538 ; 4447,2542 4447,2544 ; 4447,2548 4447,2550 ; 4447,2554 4447,2556 ; 4447,2560 4447,2604 ; 4448,2014 4448,2084 ; 4448,2088 4448,2093 ; 4448,2107 4448,2111 ; 4448,2115 4448,2122 ; 4448,2130 4448,2134 ; 4448,2145 4448,2159 ; 4448,2164 4448,2179 ; 4448,2182 4448,2188 ; 4448,2192 4448,2197 ; 4448,2201 4448,2208 ; 4448,2212 4448,2216 ; 4448,2220 4448,2227 ; 4448,2235 4448,2239 ; 4448,2253 4448,2256 ; 4448,2261 4448,2269 ; 4448,2273 4448,2290 ; 4448,2298 4448,2308 ; 4448,2312 4448,2317 ; 4448,2321 4448,2326 ; 4448,2330 4448,2336 ; 4448,2340 4448,2344 ; 4448,2348 4448,2355 ; 4448,2359 4448,2366 ; 4448,2370 4448,2378 ; 4448,2382 4448,2394 ; 4448,2398 4448,2402 ; 4448,2415 4448,2420 ; 4448,2424 4448,2437 ; 4448,2441 4448,2456 ; 4448,2460 4448,2466 ; 4448,2470 4448,2475 ; 4448,2479 4448,2484 ; 4448,2488 4448,2494 ; 4448,2498 4448,2507 ; 4448,2515 4448,2520 ; 4448,2531 4448,2538 ; 4448,2542 4448,2544 ; 4448,2548 4448,2550 ; 4448,2554 4448,2556 ; 4448,2560 4448,2604 ; 4449,2014 4449,2084 ; 4449,2088 4449,2093 ; 4449,2107 4449,2111 ; 4449,2115 4449,2120 ; 4449,2129 4449,2134 ; 4449,2146 4449,2159 ; 4449,2164 4449,2179 ; 4449,2182 4449,2188 ; 4449,2192 4449,2197 ; 4449,2201 4449,2208 ; 4449,2212 4449,2216 ; 4449,2220 4449,2226 ; 4449,2234 4449,2239 ; 4449,2253 4449,2257 ; 4449,2261 4449,2269 ; 4449,2273 4449,2288 ; 4449,2297 4449,2308 ; 4449,2312 4449,2317 ; 4449,2321 4449,2326 ; 4449,2330 4449,2336 ; 4449,2340 4449,2344 ; 4449,2348 4449,2355 ; 4449,2359 4449,2366 ; 4449,2370 4449,2378 ; 4449,2382 4449,2394 ; 4449,2398 4449,2402 ; 4449,2415 4449,2420 ; 4449,2424 4449,2437 ; 4449,2441 4449,2456 ; 4449,2460 4449,2466 ; 4449,2470 4449,2475 ; 4449,2479 4449,2484 ; 4449,2488 4449,2494 ; 4449,2498 4449,2507 ; 4449,2515 4449,2520 ; 4449,2532 4449,2538 ; 4449,2542 4449,2545 ; 4449,2548 4449,2550 ; 4449,2554 4449,2556 ; 4449,2560 4449,2604 ; 4450,2014 4450,2084 ; 4450,2088 4450,2093 ; 4450,2107 4450,2111 ; 4450,2115 4450,2120 ; 4450,2126 4450,2134 ; 4450,2138 4450,2142 ; 4450,2147 4450,2159 ; 4450,2164 4450,2179 ; 4450,2182 4450,2188 ; 4450,2192 4450,2197 ; 4450,2201 4450,2208 ; 4450,2212 4450,2216 ; 4450,2220 4450,2225 ; 4450,2232 4450,2239 ; 4450,2253 4450,2257 ; 4450,2262 4450,2269 ; 4450,2273 4450,2288 ; 4450,2295 4450,2308 ; 4450,2312 4450,2317 ; 4450,2321 4450,2326 ; 4450,2330 4450,2336 ; 4450,2340 4450,2344 ; 4450,2348 4450,2355 ; 4450,2359 4450,2367 ; 4450,2370 4450,2378 ; 4450,2382 4450,2394 ; 4450,2398 4450,2402 ; 4450,2415 4450,2420 ; 4450,2424 4450,2437 ; 4450,2441 4450,2456 ; 4450,2460 4450,2466 ; 4450,2470 4450,2475 ; 4450,2479 4450,2484 ; 4450,2488 4450,2494 ; 4450,2498 4450,2506 ; 4450,2515 4450,2520 ; 4450,2524 4450,2528 ; 4450,2533 4450,2538 ; 4450,2542 4450,2545 ; 4450,2549 4450,2550 ; 4450,2553 4450,2556 ; 4450,2560 4450,2604 ; 4451,2014 4451,2084 ; 4451,2088 4451,2103 ; 4451,2107 4451,2111 ; 4451,2115 4451,2120 ; 4451,2124 4451,2134 ; 4451,2138 4451,2143 ; 4451,2147 4451,2159 ; 4451,2164 4451,2179 ; 4451,2182 4451,2188 ; 4451,2192 4451,2197 ; 4451,2202 4451,2207 ; 4451,2212 4451,2216 ; 4451,2220 4451,2225 ; 4451,2229 4451,2249 ; 4451,2253 4451,2257 ; 4451,2262 4451,2269 ; 4451,2273 4451,2288 ; 4451,2292 4451,2308 ; 4451,2312 4451,2317 ; 4451,2321 4451,2326 ; 4451,2330 4451,2336 ; 4451,2340 4451,2344 ; 4451,2348 4451,2355 ; 4451,2359 4451,2367 ; 4451,2370 4451,2378 ; 4451,2382 4451,2394 ; 4451,2398 4451,2412 ; 4451,2415 4451,2420 ; 4451,2424 4451,2437 ; 4451,2441 4451,2456 ; 4451,2460 4451,2466 ; 4451,2470 4451,2475 ; 4451,2479 4451,2484 ; 4451,2488 4451,2494 ; 4451,2498 4451,2505 ; 4451,2510 4451,2511 ; 4451,2515 4451,2520 ; 4451,2524 4451,2529 ; 4451,2533 4451,2538 ; 4451,2542 4451,2545 ; 4451,2553 4451,2556 ; 4451,2560 4451,2604 ; 4452,2014 4452,2084 ; 4452,2088 4452,2102 ; 4452,2106 4452,2111 ; 4452,2115 4452,2119 ; 4452,2124 4452,2134 ; 4452,2138 4452,2144 ; 4452,2147 4452,2159 ; 4452,2164 4452,2179 ; 4452,2182 4452,2188 ; 4452,2192 4452,2197 ; 4452,2202 4452,2207 ; 4452,2212 4452,2216 ; 4452,2220 4452,2225 ; 4452,2229 4452,2248 ; 4452,2252 4452,2258 ; 4452,2264 4452,2269 ; 4452,2273 4452,2288 ; 4452,2292 4452,2307 ; 4452,2312 4452,2317 ; 4452,2321 4452,2326 ; 4452,2330 4452,2336 ; 4452,2340 4452,2344 ; 4452,2349 4452,2355 ; 4452,2359 4452,2367 ; 4452,2370 4452,2378 ; 4452,2382 4452,2393 ; 4452,2398 4452,2411 ; 4452,2415 4452,2420 ; 4452,2424 4452,2437 ; 4452,2441 4452,2456 ; 4452,2461 4452,2465 ; 4452,2470 4452,2475 ; 4452,2479 4452,2484 ; 4452,2488 4452,2494 ; 4452,2498 4452,2504 ; 4452,2509 4452,2511 ; 4452,2515 4452,2520 ; 4452,2524 4452,2529 ; 4452,2533 4452,2538 ; 4452,2542 4452,2546 ; 4452,2553 4452,2556 ; 4452,2560 4452,2604 ; 4453,2014 4453,2084 ; 4453,2088 4453,2094 ; 4453,2095 4453,2101 ; 4453,2106 4453,2111 ; 4453,2115 4453,2120 ; 4453,2124 4453,2134 ; 4453,2139 4453,2143 ; 4453,2147 4453,2159 ; 4453,2164 4453,2179 ; 4453,2182 4453,2188 ; 4453,2192 4453,2197 ; 4453,2203 4453,2206 ; 4453,2211 4453,2216 ; 4453,2220 4453,2225 ; 4453,2229 4453,2240 ; 4453,2241 4453,2247 ; 4453,2252 4453,2258 ; 4453,2266 4453,2269 ; 4453,2273 4453,2288 ; 4453,2292 4453,2306 ; 4453,2312 4453,2317 ; 4453,2321 4453,2326 ; 4453,2330 4453,2336 ; 4453,2340 4453,2345 ; 4453,2350 4453,2354 ; 4453,2359 4453,2367 ; 4453,2370 4453,2377 ; 4453,2382 4453,2392 ; 4453,2397 4453,2403 ; 4453,2404 4453,2410 ; 4453,2415 4453,2420 ; 4453,2424 4453,2437 ; 4453,2441 4453,2456 ; 4453,2462 4453,2464 ; 4453,2470 4453,2475 ; 4453,2479 4453,2484 ; 4453,2488 4453,2494 ; 4453,2498 4453,2504 ; 4453,2508 4453,2511 ; 4453,2515 4453,2520 ; 4453,2525 4453,2529 ; 4453,2533 4453,2538 ; 4453,2542 4453,2546 ; 4453,2552 4453,2556 ; 4453,2560 4453,2604 ; 4454,2014 4454,2084 ; 4454,2088 4454,2094 ; 4454,2105 4454,2111 ; 4454,2115 4454,2120 ; 4454,2130 4454,2134 ; 4454,2147 4454,2152 ; 4454,2164 4454,2179 ; 4454,2182 4454,2188 ; 4454,2192 4454,2197 ; 4454,2211 4454,2216 ; 4454,2220 4454,2225 ; 4454,2235 4454,2240 ; 4454,2251 4454,2259 ; 4454,2273 4454,2288 ; 4454,2298 4454,2301 ; 4454,2311 4454,2317 ; 4454,2321 4454,2326 ; 4454,2330 4454,2336 ; 4454,2340 4454,2346 ; 4454,2358 4454,2367 ; 4454,2370 4454,2374 ; 4454,2382 4454,2387 ; 4454,2397 4454,2403 ; 4454,2414 4454,2420 ; 4454,2424 4454,2429 ; 4454,2441 4454,2456 ; 4454,2469 4454,2475 ; 4454,2479 4454,2484 ; 4454,2488 4454,2494 ; 4454,2498 4454,2503 ; 4454,2508 4454,2511 ; 4454,2515 4454,2520 ; 4454,2533 4454,2538 ; 4454,2542 4454,2546 ; 4454,2552 4454,2556 ; 4454,2560 4454,2604 ; 4455,2014 4455,2084 ; 4455,2088 4455,2094 ; 4455,2104 4455,2111 ; 4455,2115 4455,2121 ; 4455,2130 4455,2134 ; 4455,2147 4455,2152 ; 4455,2164 4455,2179 ; 4455,2182 4455,2188 ; 4455,2192 4455,2197 ; 4455,2201 4455,2202 ; 4455,2210 4455,2216 ; 4455,2220 4455,2226 ; 4455,2235 4455,2240 ; 4455,2250 4455,2261 ; 4455,2273 4455,2289 ; 4455,2298 4455,2301 ; 4455,2310 4455,2317 ; 4455,2321 4455,2326 ; 4455,2330 4455,2336 ; 4455,2340 4455,2346 ; 4455,2357 4455,2367 ; 4455,2370 4455,2374 ; 4455,2381 4455,2387 ; 4455,2396 4455,2403 ; 4455,2413 4455,2420 ; 4455,2424 4455,2429 ; 4455,2441 4455,2456 ; 4455,2468 4455,2475 ; 4455,2479 4455,2484 ; 4455,2488 4455,2494 ; 4455,2498 4455,2502 ; 4455,2507 4455,2511 ; 4455,2515 4455,2520 ; 4455,2532 4455,2538 ; 4455,2542 4455,2547 ; 4455,2552 4455,2556 ; 4455,2560 4455,2604 ; 4456,2014 4456,2084 ; 4456,2088 4456,2095 ; 4456,2103 4456,2111 ; 4456,2115 4456,2122 ; 4456,2130 4456,2134 ; 4456,2138 4456,2139 ; 4456,2145 4456,2152 ; 4456,2164 4456,2179 ; 4456,2182 4456,2188 ; 4456,2192 4456,2197 ; 4456,2201 4456,2204 ; 4456,2208 4456,2216 ; 4456,2220 4456,2227 ; 4456,2235 4456,2241 ; 4456,2249 4456,2263 ; 4456,2273 4456,2290 ; 4456,2298 4456,2301 ; 4456,2308 4456,2317 ; 4456,2321 4456,2326 ; 4456,2330 4456,2336 ; 4456,2340 4456,2348 ; 4456,2355 4456,2367 ; 4456,2370 4456,2374 ; 4456,2380 4456,2387 ; 4456,2394 4456,2403 ; 4456,2411 4456,2420 ; 4456,2424 4456,2429 ; 4456,2441 4456,2456 ; 4456,2460 4456,2462 ; 4456,2467 4456,2475 ; 4456,2479 4456,2484 ; 4456,2488 4456,2494 ; 4456,2498 4456,2501 ; 4456,2506 4456,2511 ; 4456,2515 4456,2520 ; 4456,2523 4456,2525 ; 4456,2531 4456,2538 ; 4456,2542 4456,2547 ; 4456,2551 4456,2556 ; 4456,2560 4456,2604 ; 4457,2014 4457,2198 ; 4457,2202 4457,2456 ; 4457,2460 4457,2604 ; 4458,2014 4458,2198 ; 4458,2202 4458,2456 ; 4458,2461 4458,2604 ; 4459,2014 4459,2198 ; 4459,2203 4459,2208 ; 4459,2210 4459,2457 ; 4459,2462 4459,2467 ; 4459,2469 4459,2604 ; 4460,2014 4460,2199 ; 4460,2210 4460,2457 ; 4460,2469 4460,2604 ; 4461,2014 4461,2200 ; 4461,2210 4461,2458 ; 4461,2469 4461,2604 ; 4462,2014 4462,2201 ; 4462,2209 4462,2459 ; 4462,2468 4462,2604 ; 4463,2014 4463,2604 ; 4464,2014 4464,2604 ; 4465,2014 4465,2604 ; 4466,2014 4466,2604 ; 4467,2014 4467,2604 ; 4468,2014 4468,2604 ; 4469,2014 4469,2604 ; 4470,2014 4470,2604 ; 4471,2014 4471,2604 ; 4472,2014 4472,2604 ; 4473,2014 4473,2604 ; 4474,2014 4474,2604 ; 4475,2014 4475,2604 ; 4476,2014 4476,2604 ; 4477,2015 4477,2604 ; 4478,2015 4478,2604 ; 4479,2015 4479,2604 ; 4480,2016 4480,2604 ; 4481,2016 4481,2604 ; 4482,2016 4482,2604 ; 4483,2017 4483,2604 ; 4484,2017 4484,2604 ; 4485,2018 4485,2604 ; 4486,2018 4486,2604 ; 4487,2019 4487,2604 ; 4488,2020 4488,2604 ; 4489,2020 4489,2604 ; 4490,2021 4490,2604 ; 4491,2022 4491,2604 ; 4492,2023 4492,2604 ; 4493,2024 4493,2604 ; 4494,2025 4494,2604 ; 4495,2026 4495,2604 ; 4496,2027 4496,2604 ; 4497,2028 4497,2604 ; 4498,2029 4498,2604 ; 4499,2030 4499,2604 ; 4500,2032 4500,2604 ; 4501,2033 4501,2604 ; 4502,2035 4502,2604 ; 4503,2037 4503,2604 ; 4504,2039 4504,2604

## Polygon pours and split planes (outlines as drawn)
GND on Bottom Layer "GND_L02_P002" (hatched 45Degree grid 40 track 8, pour order 2): 0,3035 0,0 4855,0 4855,3035

## Keep-outs
Keep-Out Layer:
  lines w10: 0,0 0,3035 4855,3035 4855,0 0,0

## Other copper
Bottom Layer:
  region: 340,930

## Silkscreen, mask and mechanical layers (free items; w line width, h text height)
Top Overlay:
  lines w10: 1795,2390 1940,2390 ; 2405,2390 2535,2390 ; 1795,470 1795,2505 1940,2505 1940,470 1795,470 ; 2405,470 2405,2505 2535,2505 2535,470 2405,470
  text "DESIGN BY TTS" at 2370,1315 h100 r90
  text "TXBOARD" at 495,400 h100

## Dimensions
5045,5 to 5060,3025 on Bottom Layer
0,-160 to 4855,-160 on Bottom Layer